# Altium PCB Audio_Research.PcbDoc (part 2 of 4)
Units mil, origin at the board's own origin, x right, y up, seen from the top; angles counter-clockwise.
Board outline 4000 x 3000 mil, 4 copper layers (Top Layer, Signal Layer 1, Signal Layer 2, Bottom Layer), stack 64.6 mil thick; 296 components, 284 nets, 1359 pads, 585 vias.
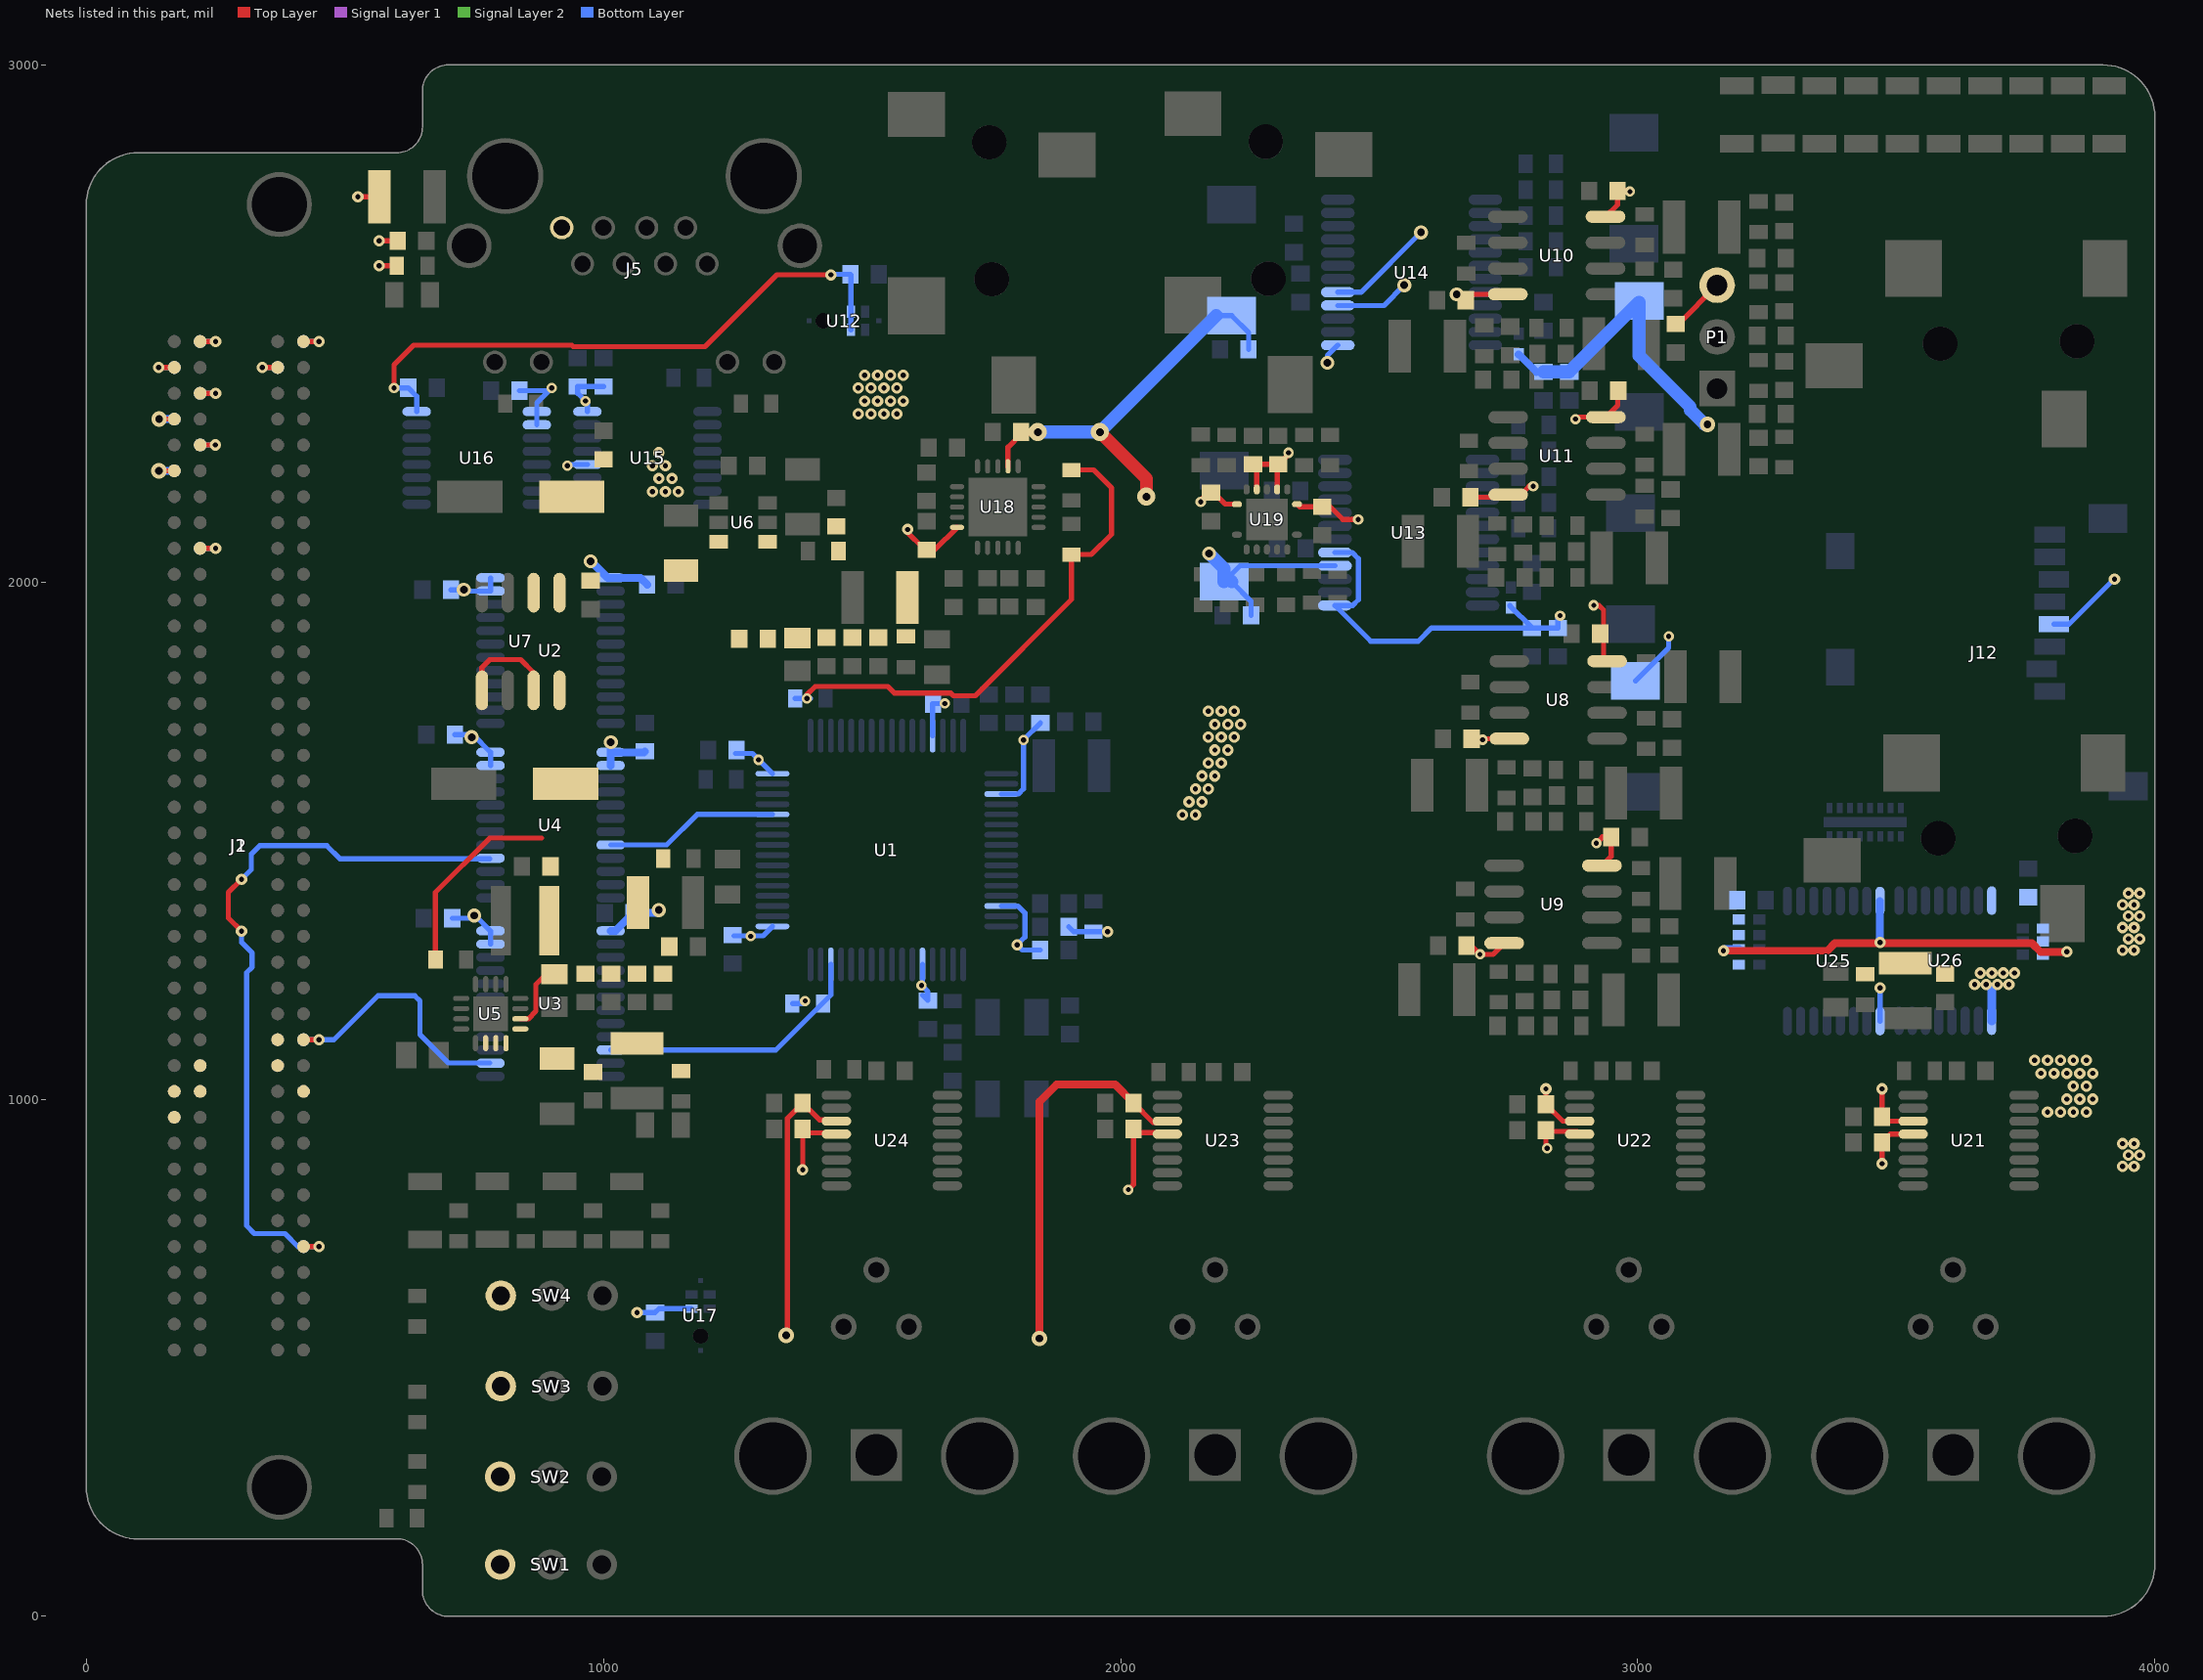
[diagram p4: the nets of this part, all layers, seen from the top]

## Part data
C1 C2: "CAP CER 22PF 50V C0G 0603", Capacitance=22pF, Case/Package=0603, Case Code (Metric)=1608, Dielectric=C0G, Manufacturer=TDK, Max Operating Temperature=125°C, Min Operating Temperature=-55°C, Package Quantity=1, Supplier Part Number 1=445-5632-6-ND, Tolerance=5%, Voltage Rating=50V, Case Code (Imperial)=0603, ComponentLink1Description=https://datasheet.ciiva.com/24217/cga3e2c0g1h220j080aa-265896-24217329.pdf, ComponentLink1URL=https://datasheet.ciiva.com/24217/cga3e2c0g1h220j080aa-265896-24217329.pdf, Composition=Ceramic, Depth=0.8mm, Height=0.8mm, Lead Free="Lead Free", Length=1.6mm, Manufacturer Part Number=CGA3E2C0G1H220J080AA, Mount="Surface Mount", Packaging="Tape and Reel", Pricing 1="1=0.1, 10=0.063, 100=0.0279, 500=0.0199, 1000=0.0156 (USD)", REACH SVHC="No SVHC", Stock 1=26658, Supplier 1=Digi-Key, Termination=SMD/SMT, Thickness=0.035inch, Voltage Rating (DC)=50V, Weight=7.1E-05oz, Width=0.8mm
C3 C7 C8 C9 C11 C12 C13 C14 C15 C16 C17 C18 C19 C20 C24 C32 C34 C46 C49 C51 C58 C60 C67 C69 C75 C81 C84 C93 C96 C97 C98 C99 C101 C102 C105 C106 C107 C108 C110 C111 C112 C114 C115 C116 C117 C126 C127 C128 C129 C130 C131 C132 C133 C134 C135 C136 C137 C138 C139 C140 C141 C142 C143: "CAP CER 0.1UF 16V Y5V 0603", Capacitance=0.1uF, Case/Package=0603, Case Code (Metric)=1608, Dielectric=Y5V, Manufacturer=Samsung, Max Operating Temperature=85°C, Min Operating Temperature=-30°C, Package Quantity=1, Supplier Part Number 1=1276-1258-6-ND, Tolerance=80%, Voltage Rating=16V, Case Code (Imperial)=0603, ComponentLink1Description=https://datasheet.ciiva.com/25805/cl10f104zo8nnnc-25805810.pdf, ComponentLink1URL=https://datasheet.ciiva.com/25805/cl10f104zo8nnnc-25805810.pdf, ComponentLink2Description=https://datasheet.ciiva.com/16199/cl10f104zo8nnnc-16199254.pdf, ComponentLink2URL=https://datasheet.ciiva.com/16199/cl10f104zo8nnnc-16199254.pdf, Depth=0.8mm, Height=0.8mm, Length=1.6mm, Manufacturer Part Number=CL10F104ZO8NNNC, Mount="Surface Mount", Packaging="Tape and Reel", Pricing 1="1=0.1, 10=0.038, 100=0.0169, 500=0.01208, 1000=0.00949 (USD)", Radiation Hardening=No, Stock 1=40000, Supplier 1=Digi-Key, Thickness=0.035inch, Width=0.031inch
C4: "390pF 50V Ceramic Capacitor X7R 0603 (1608 Metric) 0.063\" L x 0.031\" W (1.60mm x 0.80mm)", Capacitance=390pF, Manufacturer="Samsung Electro-Mechanics America, Inc.", Operating Temperature="-55°C ~ 125°C", Package / Case="0603 (1608 Metric)", Ratings=-, Supplier Part Number 1=1276-2049-1-ND, Temperature Coefficient=X7R, Tolerance=±10%, Voltage - Rated=50V, Applications="General Purpose", Category=Capacitors, ComponentLink1Description=http://www.samsungsem.com/kr/support/product-search/mlcc/__icsFiles/afieldfile/2016/08/18/S_CL10B391KB8NNNC.pdf, ComponentLink1URL=http://www.samsungsem.com/kr/support/product-search/mlcc/__icsFiles/afieldfile/2016/08/18/S_CL10B391KB8NNNC.pdf, Features=-, Height - Seated (Max)=-, Lead Spacing=-, Lead Style=-, Manufacturer Part Number=CL10B391KB8NNNC, Mounting Type="Surface Mount, MLCC", Packaging="Cut Tape (CT)", Part Status=Active, Pricing 1="1=0.1, 10=0.035, 25=0.0248, 50=0.0192, 100=0.0162, 500=0.01132, 1000=0.00882 (USD)", RoHS="RoHS Compliant", Size / Dimension="0.063\" L x 0.031\" W (1.60mm x 0.80mm)", Stock 1=10890, Supplier 1=Digi-Key, Thickness (Max)="0.035\" (0.90mm)"
C5 C53 C54 C56 C61 C63 C65 C72 C73 C77 C87 C88 C91: "CAP CER 47UF 16V X5R 1210", Capacitance=47uF, Case/Package=1210, Case Code (Metric)=3225, Dielectric=X5R, Manufacturer=Samsung, Max Operating Temperature=85°C, Min Operating Temperature=-55°C, Package Quantity=1, Supplier Part Number 1=1276-3376-6-ND, Tolerance=10%, Voltage Rating=16V, Case Code (Imperial)=1210, ComponentLink1Description=https://datasheet.ciiva.com/25785/cl32a476kojnnne-25785873.pdf, ComponentLink1URL=https://datasheet.ciiva.com/25785/cl32a476kojnnne-25785873.pdf, Lead Free="Lead Free", Length=0.126inch, Manufacturer Part Number=CL32A476KOJNNNE, Mount="Surface Mount", Packaging="Tape and Reel", Pricing 1="1=1.12, 10=0.853, 100=0.6104, 500=0.47254 (USD)", Stock 1=10000, Supplier 1=Digi-Key, Thickness=0.106inch, Voltage Rating (DC)=16V, Width=0.098inch
C6: "5600pF 50V Ceramic Capacitor X7R 0603 (1608 Metric) 0.063\" L x 0.031\" W (1.60mm x 0.80mm)", Capacitance=5600pF, Manufacturer="Samsung Electro-Mechanics America, Inc.", Operating Temperature="-55°C ~ 125°C", Package / Case="0603 (1608 Metric)", Ratings=-, Supplier Part Number 1=1276-2092-1-ND, Temperature Coefficient=X7R, Tolerance=±10%, Voltage - Rated=50V, Applications="Boardflex Sensitive", Category=Capacitors, ComponentLink1Description=http://www.samsungsem.com/kr/support/product-search/mlcc/__icsFiles/afieldfile/2016/08/18/S_CL10B562KB8SFNC.pdf, ComponentLink1URL=http://www.samsungsem.com/kr/support/product-search/mlcc/__icsFiles/afieldfile/2016/08/18/S_CL10B562KB8SFNC.pdf, Features="Soft Termination", Height - Seated (Max)=-, Lead Spacing=-, Lead Style=-, Manufacturer Part Number=CL10B562KB8SFNC, Mounting Type="Surface Mount, MLCC", Notes="FE Provides", Packaging="Cut Tape (CT)", Part Status=Active, Pricing 1="1=0.1, 10=0.048, 25=0.034, 50=0.0262, 100=0.0221, 500=0.01548, 1000=0.01206 (USD)", RoHS="RoHS Compliant", Size / Dimension="0.063\" L x 0.031\" W (1.60mm x 0.80mm)", Stock 1=35381, Supplier 1=Digi-Key, Thickness (Max)="0.035\" (0.90mm)"
C10 C28 C35 C37 C39 C41 C43: "CAP CER 10UF 10V X5R 0603", Capacitance=10uF, Case/Package=0603, Case Code (Metric)=1608, Dielectric=X5R, Manufacturer=Murata, Max Operating Temperature=85°C, Min Operating Temperature=-55°C, Package Quantity=4000, Supplier Part Number 1=490-10475-6-ND, Tolerance=20%, Voltage Rating=10V, Case Code (Imperial)=0603, ComponentLink1Description=http://components.arrow.com/part/dataview/0323_06119472, ComponentLink1URL=http://components.arrow.com/part/dataview/0323_06119472, ComponentLink2Description=http://www.farnell.com/datasheets/2048014.pdf, ComponentLink2URL=http://www.farnell.com/datasheets/2048014.pdf, ComponentLink3Description=http://search.murata.co.jp/Ceramy/image/img/A01X/G101/ENG/GRM188R61A106ME69-01.pdf, ComponentLink3URL=http://search.murata.co.jp/Ceramy/image/img/A01X/G101/ENG/GRM188R61A106ME69-01.pdf, ComponentLink4Description=http://www.mouser.com/ds/2/281/c02e-2905.pdf, ComponentLink4URL=http://www.mouser.com/ds/2/281/c02e-2905.pdf, ComponentLink5Description=http://www.farnell.com/datasheets/1872210.pdf, ComponentLink5URL=http://www.farnell.com/datasheets/1872210.pdf, Depth=0.8mm, Height=0.8mm, Lead Free="Lead Free", Length=1.6mm, Manufacturer Part Number=GRM188R61A106ME69D, Material=Ceramic, Mount="Surface Mount", Packaging="Tape and Reel", Pricing 1="1=0.22, 10=0.149, 100=0.0754, 500=0.05158, 1000=0.04563 (USD)", REACH SVHC=Unknown, Stock 1=40000, Supplier 1=Digi-Key, Termination=SMD/SMT, Thickness=0.035inch, Voltage Rating (DC)=10V, Weight=0.000222oz, Width=0.8mm
C21: "CAP TANT 10UF 10V 10% 1206", Capacitance=10uF, Case/Package=1206, Case Code (Metric)=3216, Dielectric Material=Tantalum, ESR (Equivalent Series Resistance)=900mR, Leakage Current=1uA, Manufacturer="Vishay Sprague", Max Operating Temperature=125°C, Min Operating Temperature=-55°C, Package Quantity=1, Ripple Current=290mA, Supplier Part Number 1=718-1460-6-ND, Tolerance=10%, Voltage=10V, Case Code (Imperial)=1206, ComponentLink1Description=https://datasheet.ciiva.com/8070/438325-8070341.pdf, ComponentLink1URL=https://datasheet.ciiva.com/8070/438325-8070341.pdf, ComponentLink2Description=https://datasheet.ciiva.com/258/tr3-258855.pdf, ComponentLink2URL=https://datasheet.ciiva.com/258/tr3-258855.pdf, ComponentLink3Description=https://datasheet.ciiva.com/258/tr3-258856.pdf, ComponentLink3URL=https://datasheet.ciiva.com/258/tr3-258856.pdf, ComponentLink4Description=https://datasheet.ciiva.com/258/tr3-258857.pdf, ComponentLink4URL=https://datasheet.ciiva.com/258/tr3-258857.pdf, ComponentLink5Description=https://datasheet.ciiva.com/3004/tr3-3004715.pdf, ComponentLink5URL=https://datasheet.ciiva.com/3004/tr3-3004715.pdf, ComponentLink6Description=https://datasheet.ciiva.com/11793/0900766b80d9a43c-11793740.pdf, ComponentLink6URL=https://datasheet.ciiva.com/11793/0900766b80d9a43c-11793740.pdf, ComponentLink7Description=https://datasheet.ciiva.com/22695/1923401-22695197.pdf, ComponentLink7URL=https://datasheet.ciiva.com/22695/1923401-22695197.pdf, Depth=1.6mm, Dissipation Factor=6%, Features="General Purpose", Height=1.6mm, Height - Seated (Max)=0.071inch, Length=3.2mm, Manufacturer Part Number=TR3A106K010C0900, Mount="Surface Mount,PCB", Notes="FE Provides", Packaging="Tape and Reel", Polarity=Polar, Pricing 1="1=0.9, 10=0.688, 100=0.4919, 500=0.3808, 1000=0.32791 (USD)", Radiation Hardening=No, REACH SVHC=Unknown, Stock 1=0, Supplier 1=Digi-Key, Termination=SMD/SMT, Voltage Rating=10V, Voltage Rating (DC)=10V, Width=1.6mm
C22 C30: "CAP CER 22UF 10V X5R 0805", Capacitance=22µF, Manufacturer="Samsung Electro-Mechanics America, Inc.", Operating Temperature="-55°C ~ 85°C", Package / Case="0805 (2012 Metric)", Ratings=-, Supplier Part Number 1=1276-6786-1-ND, Temperature Coefficient=X5R, Tolerance=±10%, Voltage - Rated=10V, Applications="General Purpose", Category=Capacitors, ComponentLink1Description=http://www.samsungsem.com/kr/support/product-search/mlcc/__icsFiles/afieldfile/2016/08/18/S_CL21A226KPCLRNC.pdf, ComponentLink1URL=http://www.samsungsem.com/kr/support/product-search/mlcc/__icsFiles/afieldfile/2016/08/18/S_CL21A226KPCLRNC.pdf, Features="Low Profile", Height - Seated (Max)=-, Lead Spacing=-, Lead Style=-, Manufacturer Part Number=CL21A226KPCLRNC, Mounting Type="Surface Mount, MLCC", Packaging="Cut Tape (CT)", Part Status=Active, Pricing 1="1=0.25, 10=0.173, 25=0.1384, 50=0.1154, 100=0.0981, 250=0.07788, 500=0.06924, 1000=0.06059 (USD)", RoHS="RoHS Compliant", Size / Dimension="0.079\" L x 0.049\" W (2.00mm x 1.25mm)", Stock 1=70317, Supplier 1=Digi-Key, Thickness (Max)="0.037\" (0.95mm)"
C23 C31 C47: "CAP CER 10000PF 100V X8R 0603", Capacitance=10nF, Case/Package=0603, Case Code (Metric)=1608, Dielectric=X8R, Manufacturer=TDK, Max Operating Temperature=150°C, Min Operating Temperature=-55°C, Package Quantity=1, Supplier Part Number 1=445-2510-6-ND, Tolerance=10%, Voltage Rating=100V, Case Code (Imperial)=0603, ComponentLink1Description=https://datasheet.ciiva.com/24218/c1608x8r2a103k080aa-264763-24218790.pdf, ComponentLink1URL=https://datasheet.ciiva.com/24218/c1608x8r2a103k080aa-264763-24218790.pdf, Composition=Ceramic, Depth=0.8mm, Height=0.8mm, Length=1.6mm, Manufacturer Part Number=C1608X8R2A103K080AA, Mount="Surface Mount", Number of Pins=2, Packaging="Tape and Reel", Pricing 1="1=0.22, 10=0.16, 100=0.075, 500=0.05262, 1000=0.04356 (USD)", REACH SVHC="No SVHC", Stock 1=1372, Supplier 1=Digi-Key, Termination=SMD/SMT, Thickness=0.037inch, Voltage Rating (DC)=100V, Weight=7.1E-05oz, Width=0.031inch
C25 C26: "CAP 0603 SMD - NoLoad", Capacitance=NoLoad, Load Status="Do Not Install"
C27: "CAP CER 22UF 16V 20% X6S 1206", Capacitance=22µF, Manufacturer="TDK Corporation", Operating Temperature="-55°C ~ 105°C", Package / Case="1206 (3216 Metric)", Ratings=-, Supplier Part Number 1=445-8044-1-ND, Temperature Coefficient=X6S, Tolerance=±20%, Voltage - Rated=16V, Applications="General Purpose", Category=Capacitors, ComponentLink1Description=http://www.tdk.com/pdf/general_B11.pdf, ComponentLink1URL=http://www.tdk.com/pdf/general_B11.pdf, Features=-, Height - Seated (Max)=-, Lead Spacing=-, Lead Style=-, Manufacturer Part Number=C3216X6S1C226M, Mounting Type="Surface Mount, MLCC", Notes="FE Provides", Packaging="Cut Tape (CT)", Pricing 1="1=1.13, 10=0.94, 100=0.6, 250=0.5, 500=0.45, 1000=0.41 (USD)", RoHS="RoHS Compliant", Size / Dimension="0.126\" L x 0.063\" W (3.20mm x 1.60mm)", Stock 1=4138, Supplier 1=Digi-Key, Thickness (Max)=-
C29: "CAP CER 10UF 50V 10% X5R 1206", Capacitance=10µF, Manufacturer="TDK Corporation", Operating Temperature="-55°C ~ 85°C", Package / Case="1206 (3216 Metric)", Ratings=-, Supplier Part Number 1=445-5998-1-ND, Temperature Coefficient=X5R, Tolerance=±10%, Voltage - Rated=50V, Applications="General Purpose", Category=Capacitors, ComponentLink1Description=http://www.tdk.com/pdf/general_B11.pdf, ComponentLink1URL=http://www.tdk.com/pdf/general_B11.pdf, Features=-, Height - Seated (Max)=-, Lead Spacing=-, Lead Style=-, Manufacturer Part Number=C3216X5R1H106K, Mounting Type="Surface Mount, MLCC", Packaging="Cut Tape (CT)", Pricing 1="1=1.01, 10=0.846, 100=0.54, 250=0.45, 500=0.405, 1000=0.369 (USD)", RoHS="RoHS Compliant", Size / Dimension="0.126\" L x 0.063\" W (3.20mm x 1.60mm)", Stock 1=39464, Supplier 1=Digi-Key, Thickness (Max)="0.071\" (1.80mm)"
C33: "CAP CER 3300PF 50V NP0 0805", Capacitance=3300pF, Manufacturer="Murata Electronics North America", Operating Temperature="-55°C ~ 125°C", Package / Case="0805 (2012 Metric)", Ratings=-, Supplier Part Number 1=490-1632-1-ND, Temperature Coefficient="C0G, NP0", Tolerance=±5%, Voltage - Rated=50V, Applications="General Purpose", Category=Capacitors, ComponentLink1Description=http://www.murata.com/~/media/webrenewal/support/library/catalog/products/capacitor/mlcc/c02e.pdf, ComponentLink1URL=http://www.murata.com/~/media/webrenewal/support/library/catalog/products/capacitor/mlcc/c02e.pdf, Manufacturer Part Number=GRM2165C1H332JA01D, Mounting Type="Surface Mount, MLCC", Packaging="Cut Tape (CT)", Part Status=Active, Pricing 1="1=0.17, 10=0.12, 50=0.069, 100=0.057, 250=0.048, 500=0.0402, 1000=0.033 (USD)", RoHS="RoHS Compliant", Size / Dimension="0.079\" L x 0.049\" W (2.00mm x 1.25mm)", Stock 1=67484, Supplier 1=Digi-Key, Thickness (Max)="0.028\" (0.70mm)"
C36 C38 C40 C42 C44: "100µF 6.3V Ceramic Capacitor X6S 1210 (3225 Metric) 0.126\" L x 0.098\" W (3.20mm x 2.50mm)", Capacitance=100µF, Manufacturer="Samsung Electro-Mechanics America, Inc.", Operating Temperature="-55°C ~ 105°C", Package / Case="1210 (3225 Metric)", Ratings=-, Supplier Part Number 1=1276-3399-1-ND, Temperature Coefficient=X6S, Tolerance=±20%, Voltage - Rated=6.3V, Applications="General Purpose", Category=Capacitors, ComponentLink1Description=http://www.samsungsem.com/kr/front/downloadcms.do?path=/kr/support/product-search/mlcc/__icsFiles/afieldfile/2014/11/05&fileName=C_CL32X107MQVNNNE.pdf, ComponentLink1URL=http://www.samsungsem.com/kr/front/downloadcms.do?path=/kr/support/product-search/mlcc/__icsFiles/afieldfile/2014/11/05&fileName=C_CL32X107MQVNNNE.pdf, Features=-, Height - Seated (Max)=-, Lead Spacing=-, Lead Style=-, Manufacturer Part Number=CL32X107MQVNNNE, Mounting Type="Surface Mount, MLCC", Packaging="Cut Tape (CT)", Part Status=Active, Pricing 1="1=1.35, 10=1.13, 25=0.974, 50=0.914, 100=0.7215, 500=0.54112 (USD)", RoHS="RoHS Compliant", Size / Dimension="0.126\" L x 0.098\" W (3.20mm x 2.50mm)", Stock 1=19666, Supplier 1=Digi-Key, Thickness (Max)="0.110\" (2.80mm)"
C45 C48: "CAP ALUM 47UF 50V 20% SMD", Capacitance=47µF, ESR (Equivalent Series Resistance)="680.0 mOhm", Lifetime @ Temp.="2000 Hrs @ 105°C", Manufacturer="Panasonic - ECG", Operating Temperature="-55°C ~ 105°C", Package / Case="Radial, Can - SMD", Ripple Current=195mA, Supplier Part Number 1=PCE5023CT-ND, Tolerance=±20%, Voltage Rating=50V, Category=Capacitors, ComponentLink1Description=http://industrial.panasonic.com/www-cgi/jvcr17pz.cgi?E+PZ+4+ABA0134+0+WW, ComponentLink1URL=http://industrial.panasonic.com/www-cgi/jvcr17pz.cgi?E+PZ+4+ABA0134+0+WW, Features="General Purpose", Height - Seated (Max)="0.240\" (6.10mm)", Impedance=-, Lead Spacing=-, Manufacturer Part Number=EEE-FT1H470AP, Mounting Type="Surface Mount", Packaging="Cut Tape (CT)", Pricing 1="1=0.81, 50=0.4834, 100=0.4229, 250=0.33232, 500=0.3021 (USD)", RoHS="RoHS Compliant", Size / Dimension="0.248\" Dia (6.30mm)", Stock 1=1772, Supplier 1=Digi-Key, Surface Mount Land Size="0.260\" L x 0.260\" W (6.60mm x 6.60mm)"
C50 C59 C68 C83: "120pF 50V Ceramic Capacitor C0G, NP0 0603 (1608 Metric) 0.063\" L x 0.031\" W (1.60mm x 0.80mm)", Capacitance=120pF, Manufacturer="Samsung Electro-Mechanics America, Inc.", Operating Temperature="-55°C ~ 125°C", Package / Case="0603 (1608 Metric)", Ratings=-, Supplier Part Number 1=1276-2180-1-ND, Temperature Coefficient="C0G, NP0", Tolerance=±5%, Voltage - Rated=50V, Applications="General Purpose", Category=Capacitors, ComponentLink1Description=http://media.digikey.com/pdf/Data%20Sheets/Samsung%20PDFs/CL10C121JB8NCNC_Spec.pdf, ComponentLink1URL=http://media.digikey.com/pdf/Data%20Sheets/Samsung%20PDFs/CL10C121JB8NCNC_Spec.pdf, Features=-, Height - Seated (Max)=-, Lead Spacing=-, Lead Style=-, Manufacturer Part Number=CL10C121JB8NCNC, Mounting Type="Surface Mount, MLCC", Packaging="Cut Tape (CT)", Part Status=Active, Pricing 1="1=0.1, 10=0.03, 25=0.0208, 50=0.016, 100=0.0135, 500=0.00948, 1000=0.00738 (USD)", RoHS="RoHS Compliant", Size / Dimension="0.063\" L x 0.031\" W (1.60mm x 0.80mm)", Stock 1=26285, Supplier 1=Digi-Key, Thickness (Max)="0.035\" (0.90mm)"
C52 C57 C62 C66 C70 C78 C85 C92: library part C1608C0G1H050C080AA, "CAP CER 10000PF 200V X7R 0603", Capacitance=10nF, Case/Package=0603, Case Code (Metric)=1608, Dielectric=X7R, Dielectric Material=Ceramic, Manufacturer=KEMET, Manufacturer Part Number=C0603C103J2RACTU, Max Operating Temperature=125°C, Min Operating Temperature=-55°C, Package Quantity=1, Supplier Part Number 1=399-10040-6-ND, Tolerance=5%, Voltage Rating=200V, Case Code (Imperial)=0603, ComponentLink1Description=https://search.kemet.com/component-edge/download/datasheet/C0603C103J2RACTU.pdf, ComponentLink1URL=https://search.kemet.com/component-edge/download/datasheet/C0603C103J2RACTU.pdf, ComponentLink2Description=http://www.kemet.com/Lists/ProductCatalog/Attachments/53/KEM_C1002_X7R_SMD.pdf, ComponentLink2URL=http://www.kemet.com/Lists/ProductCatalog/Attachments/53/KEM_C1002_X7R_SMD.pdf, Height=0.8mm, Length=1.6mm, Mount="Surface Mount", Packaging="Tape and Reel", Pricing 1="1=0.57, 10=0.392, 100=0.2355, 500=0.1766, 1000=0.14913 (USD)", Stock 1=2052, Supplier 1=Digi-Key, Termination=SMD/SMT, Thickness=0.034inch, Voltage Rating (DC)=200V, Width=0.031inch
C55 C64 C74 C76 C89 C90: "CAP CER 100PF 100V 5% NP0 0603", Capacitance=100pF, Manufacturer="TDK Corporation", Operating Temperature="-55°C ~ 125°C", Package / Case="0603 (1608 Metric)", Ratings=-, Supplier Part Number 1=445-2306-1-ND, Temperature Coefficient="C0G, NP0", Tolerance=±5%, Voltage - Rated=100V, Applications="General Purpose", Category=Capacitors, ComponentLink1Description=http://www.tdk.com/pdf/mid_volt_B11.pdf, ComponentLink1URL=http://www.tdk.com/pdf/mid_volt_B11.pdf, Features=-, Height - Seated (Max)=-, Lead Spacing=-, Lead Style=-, Manufacturer Part Number=C1608C0G2A101J, Mounting Type="Surface Mount, MLCC", Packaging="Cut Tape (CT)", Pricing 1="10=0.05, 100=0.0231, 250=0.01892, 500=0.01618, 1000=0.0126 (USD)", RoHS="RoHS Compliant", Size / Dimension="0.063\" L x 0.031\" W (1.60mm x 0.80mm)", Stock 1=128588, Supplier 1=Digi-Key, Thickness (Max)="0.037\" (0.95mm)"
C71 C86 C118 C119 C122 C123: "CAP CER 1UF 16V X7R 0603", Capacitance=1uF, Case/Package=0603, Case Code (Metric)=1608, Dielectric=X7R, Manufacturer=TDK, Max Operating Temperature=125°C, Min Operating Temperature=-55°C, Package Quantity=4000, Supplier Part Number 1=445-12540-6-ND, Tolerance=20%, Voltage Rating=16V, Case Code (Imperial)=0603, ComponentLink1Description=https://product.tdk.com/info/en/catalog/datasheets/mlcc_automotive_general_en.pdf, ComponentLink1URL=https://product.tdk.com/info/en/catalog/datasheets/mlcc_automotive_general_en.pdf, ComponentLink2Description=http://product.tdk.com/capacitor/mlcc/detailed_information.php?lang=en&ref=jp&part_no=CGA3E1X7R1C105M080AC, ComponentLink2URL=http://product.tdk.com/capacitor/mlcc/detailed_information.php?lang=en&ref=jp&part_no=CGA3E1X7R1C105M080AC, ComponentLink3Description=http://product.tdk.com/en/catalog/datasheets/mlcc_automotive_general_en.pdf, ComponentLink3URL=http://product.tdk.com/en/catalog/datasheets/mlcc_automotive_general_en.pdf, Height=0.8mm, Lead Free="Lead Free", Length=0.063inch, Manufacturer Part Number=CGA3E1X7R1C105M080AC, Mount="Surface Mount", Packaging="Tape and Reel", Pricing 1="1=0.14, 10=0.1, 100=0.0468, 500=0.0328, 1000=0.0272 (USD)", Stock 1=18034, Supplier 1=Digi-Key, Termination=SMD/SMT, Thickness=0.035inch, Voltage Rating (DC)=16V, Weight=7.1E-05oz, Width=0.031inch
C79 C80 C82: "1000pF 50V Ceramic Capacitor X7R 0603 (1608 Metric) 0.063\" L x 0.031\" W (1.60mm x 0.80mm)", Capacitance=1000pF, Manufacturer="Samsung Electro-Mechanics America, Inc.", Operating Temperature="-55°C ~ 125°C", Package / Case="0603 (1608 Metric)", Ratings=-, Supplier Part Number 1=1276-1018-1-ND, Temperature Coefficient=X7R, Tolerance=±10%, Voltage - Rated=50V, Applications="General Purpose", Category=Capacitors, ComponentLink1Description=http://www.samsungsem.com/kr/support/product-search/mlcc/__icsFiles/afieldfile/2015/06/15/CL10B102KB8NNNC.pdf, ComponentLink1URL=http://www.samsungsem.com/kr/support/product-search/mlcc/__icsFiles/afieldfile/2015/06/15/CL10B102KB8NNNC.pdf, Features=-, Height - Seated (Max)=-, Lead Spacing=-, Lead Style=-, Manufacturer Part Number=CL10B102KB8NNNC, Mounting Type="Surface Mount, MLCC", Packaging="Cut Tape (CT)", Part Status=Active, Pricing 1="1=0.1, 10=0.017, 25=0.012, 50=0.0092, 100=0.0077, 500=0.0054, 1000=0.0042 (USD)", RoHS="RoHS Compliant", Size / Dimension="0.063\" L x 0.031\" W (1.60mm x 0.80mm)", Stock 1=294007, Supplier 1=Digi-Key, Thickness (Max)="0.035\" (0.90mm)"
C94 C95 C100 C103 C104 C109: "CAP TANT 4.7UF 50V 10% 2917", Capacitance=4.7µF, ESR (Equivalent Series Resistance)="275 mOhm", Lifetime @ Temp.="2000 Hrs @ 85°C", Manufacturer=KEMET, Manufacturer Size Code=D, Operating Temperature="-55°C ~ 125°C", Package / Case="2917 (7343 Metric)", Supplier Part Number 1=399-4786-1-ND, Tolerance=±10%, Voltage - Rated=50V, Category=Capacitors, ComponentLink1Description=http://www.kemet.com/docfinder?Partnumber=T495D475K050ATE275, ComponentLink1URL=http://www.kemet.com/docfinder?Partnumber=T495D475K050ATE275, Failure Rate=-, Features="General Purpose", Height - Seated (Max)="0.122\" (3.10mm)", Lead Spacing=-, Manufacturer Part Number=T495D475K050ATE275, Mounting Type="Surface Mount", Packaging="Cut Tape (CT)", Part Status=Active, Pricing 1="1=2.05, 10=1.656, 25=1.5052, 50=1.445, 100=1.2644, 250=1.0838 (USD)", RoHS="RoHS Compliant", Size / Dimension="0.287\" L x 0.169\" W (7.30mm x 4.30mm)", Stock 1=9255, Supplier 1=Digi-Key, Type=Molded
C113: "CAP CER 4700PF 10V X7R 0603", Capacitance=4.7nF, Case/Package=0603, Case Code (Metric)=1608, Dielectric=X7R, Dielectric Material=Ceramic, Manufacturer=KEMET, Max Operating Temperature=125°C, Min Operating Temperature=-55°C, Package Quantity=4000, Supplier Part Number 1=399-9092-6-ND, Tolerance=10%, Voltage Rating=10V, Case Code (Imperial)=0603, ComponentLink1Description=http://www.mouser.com/ds/2/212/KEM_C1002_X7R_SMD-1102033.pdf, ComponentLink1URL=http://www.mouser.com/ds/2/212/KEM_C1002_X7R_SMD-1102033.pdf, ComponentLink2Description=http://components.arrow.com/part/dataview/3445604S8609586N7429, ComponentLink2URL=http://components.arrow.com/part/dataview/3445604S8609586N7429, ComponentLink3Description=https://search.kemet.com/component-edge/download/datasheet/C0603C472K8RACTU.pdf, ComponentLink3URL=https://search.kemet.com/component-edge/download/datasheet/C0603C472K8RACTU.pdf, ComponentLink4Description=http://capacitoredge.kemet.com/capedge2/DataSheet?pn=C0603C472K8RAC7867, ComponentLink4URL=http://capacitoredge.kemet.com/capedge2/DataSheet?pn=C0603C472K8RAC7867, Contact Plating=Tin,Matte, Depth=0.8mm, Length=1.6mm, Manufacturer Part Number=C0603C472K8RACTU, Mount="Surface Mount", Packaging="Tape and Reel", Pricing 1="1=0.1, 10=0.053, 100=0.0236, 500=0.0168, 1000=0.0132 (USD)", REACH SVHC="No SVHC", Stock 1=15005, Supplier 1=Digi-Key, Termination=SMD/SMT, Thickness=0.034inch, Voltage Rating (DC)=10V, Width=0.031inch
C120 C121 C124 C125: "CAP CER 0.47UF 16V X7R 0603", Capacitance=0.47uF, Case/Package=0603, Case Code (Metric)=1608, Dielectric=X7R, Manufacturer=TDK, Max Operating Temperature=125°C, Min Operating Temperature=-55°C, Package Quantity=4000, Supplier Part Number 1=445-12537-6-ND, Tolerance=20%, Voltage Rating=16V, Case Code (Imperial)=0603, ComponentLink1Description=https://product.tdk.com/info/en/catalog/datasheets/mlcc_automotive_general_en.pdf, ComponentLink1URL=https://product.tdk.com/info/en/catalog/datasheets/mlcc_automotive_general_en.pdf, ComponentLink2Description=http://product.tdk.com/capacitor/mlcc/detailed_information.php?lang=en&ref=jp&part_no=CGA3E1X7R1C474M080AC, ComponentLink2URL=http://product.tdk.com/capacitor/mlcc/detailed_information.php?lang=en&ref=jp&part_no=CGA3E1X7R1C474M080AC, ComponentLink3Description=http://product.tdk.com/en/catalog/datasheets/mlcc_automotive_general_en.pdf, ComponentLink3URL=http://product.tdk.com/en/catalog/datasheets/mlcc_automotive_general_en.pdf, Height=0.8mm, Length=0.063inch, Manufacturer Part Number=CGA3E1X7R1C474M080AC, Mount="Surface Mount", Packaging="Tape and Reel", Pricing 1="1=0.18, 10=0.129, 100=0.0605, 500=0.0424, 1000=0.0351 (USD)", Stock 1=6138, Supplier 1=Digi-Key, Thickness=0.035inch, Voltage Rating (DC)=16V, Weight=7.1E-05oz, Width=0.031inch
D1 D2 D3: "LED 660NM SUPER RED CLR 0805 T/R", Color=Red, Current - Test=20mA, Luminous Flux @ Current - Test=-, Manufacturer="Lumex Opto/Components Inc", Manufacturer Part Number=SML-LX0805SRC-TR, Millicandela Rating=25mcd, Package / Case="0805 (2012 Metric)", Supplier Part Number 1=67-2191-1-ND, Voltage - Forward (Vf) (Typ)=1.7V, Category=Optoelectronics, ComponentLink1Description=http://www.lumex.com/specs/SML-LX0805SRC-TR.pdf, ComponentLink1URL=http://www.lumex.com/specs/SML-LX0805SRC-TR.pdf, Height=1.10mm, Lens Type=Clear, Mounting Type="Surface Mount", Packaging="Cut Tape (CT)", Pricing 1="1=0.56, 10=0.395, 100=0.2596, 250=0.19472, 500=0.177, 1000=0.1416 (USD)", RoHS="RoHS Compliant", Size / Dimension="2.00mm L x 1.25mm W", Stock 1=1141, Supplier 1=Digi-Key, Viewing Angle=140°, Wavelength - Dominant=-, Wavelength - Peak=660nm